# EAGLE board Mk4 Final a Panel score 2x5 (EAGLE 9.0.1), part 19 of 29
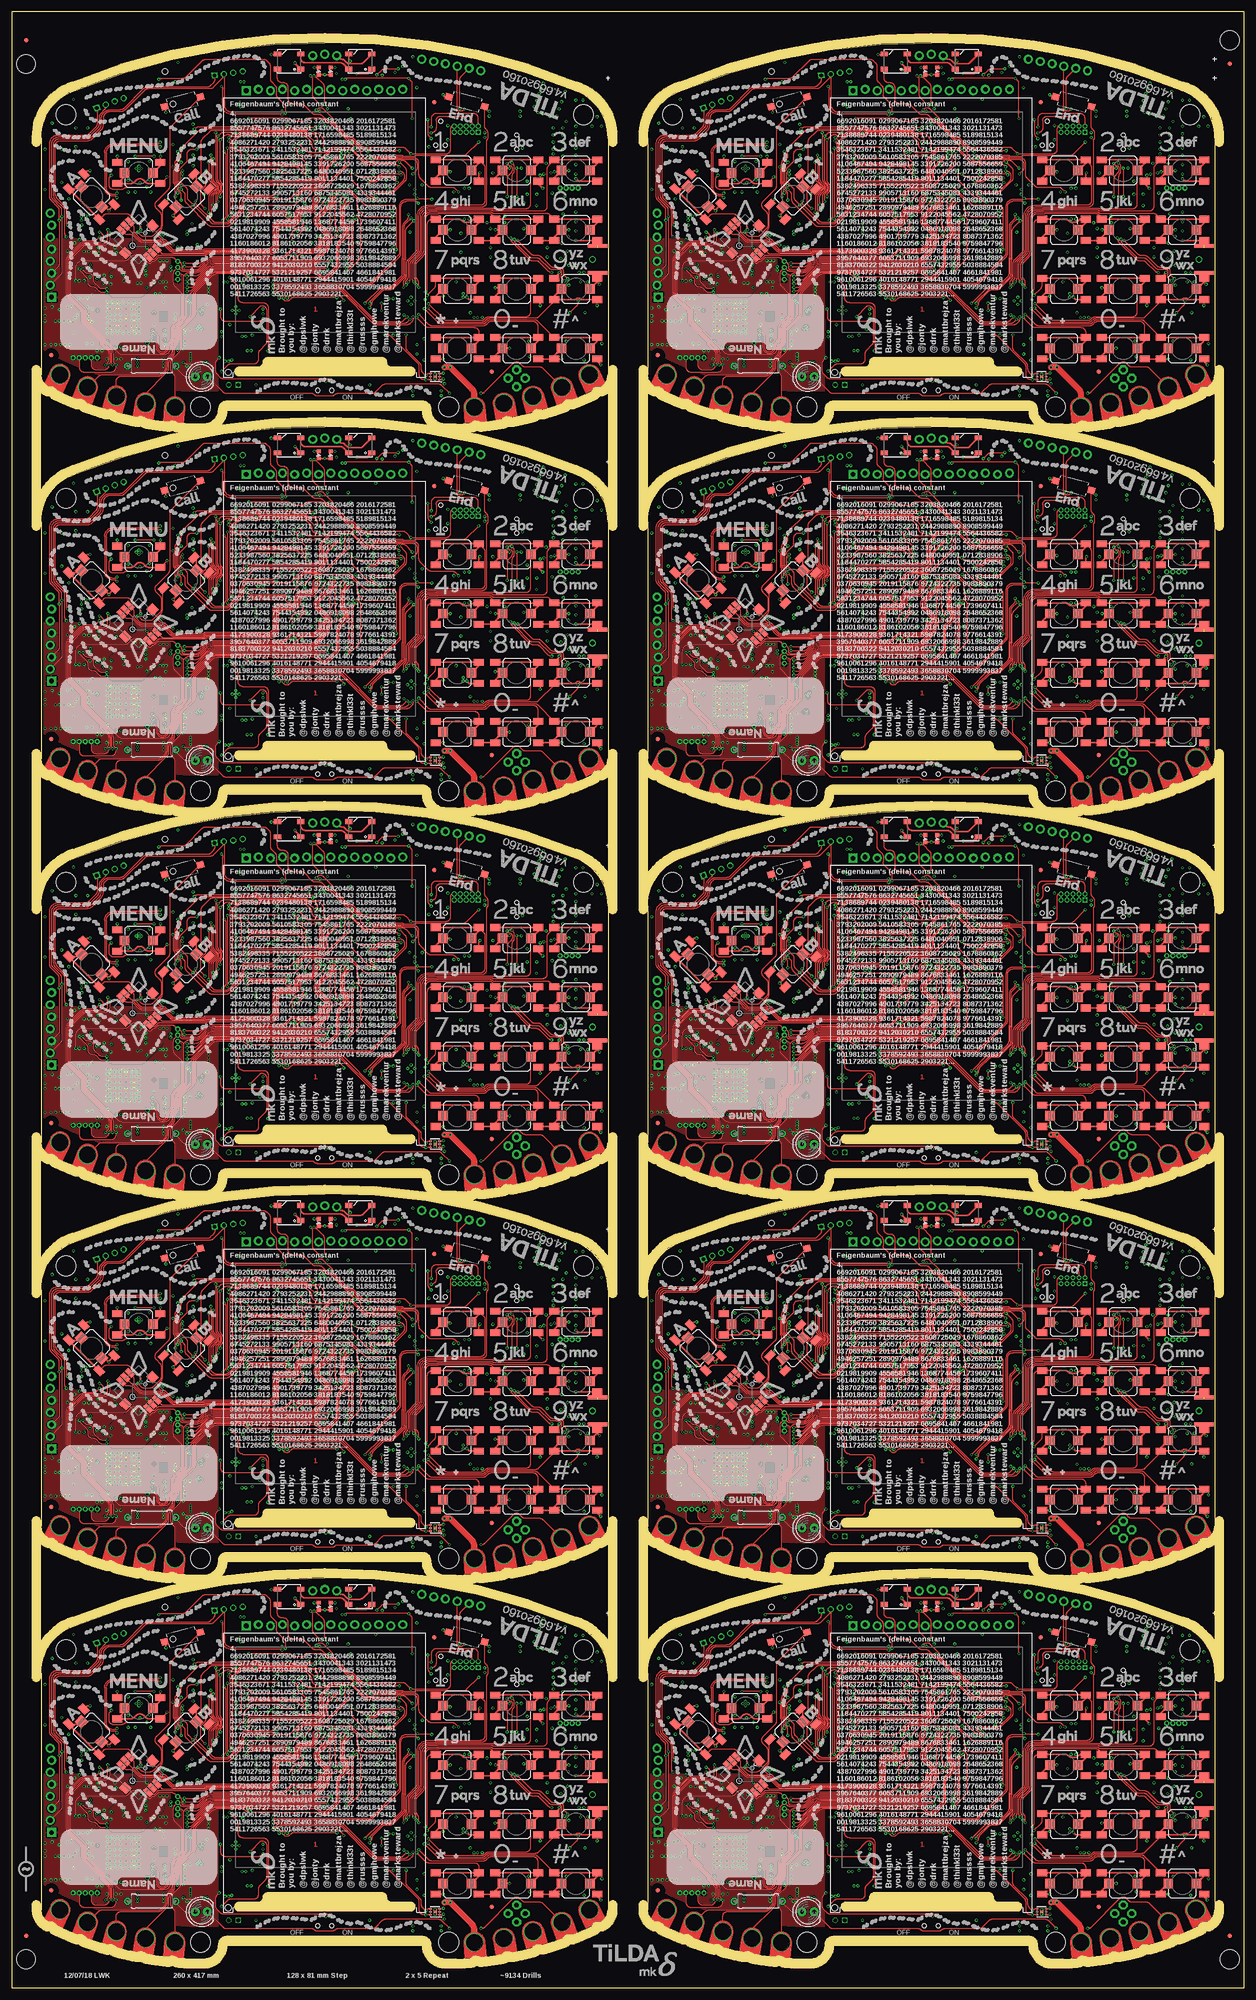
[diagram p0: board, top side]
## Tracks (layer width: path | path; a pad name or v marks a point on that pad's centre or on a via) (continued)
MIC_P4 (continued)
  Bottom 0.2: C483.1 C485.1 | C487.1 C488.1 | C483.1 C487.1 | U14.+ 102.03,238.75 102.6,238.18 103.42,238.18 arc-90 104.17,237.43 104.17,234.35 104.5,234.03 C483.1 | C487.1 104.17,232.68 104.17,232.21 arc45 104.32,231.85 106.03,230.15 arc45 106.38,230 S105.3
MIC_P5
  Bottom 0.2: C591.1 C593.1 | C595.1 C596.1 | C591.1 C595.1 | U17.+ 230.03,238.75 230.6,238.18 231.43,238.18 arc-90 232.18,237.43 232.18,234.35 232.5,234.03 C591.1 | C595.1 232.18,232.68 232.18,232.21 arc45 232.32,231.85 234.03,230.15 arc45 234.38,230 S126.3
MIC_P6
  Bottom 0.2: C699.1 C701.1 | C703.1 C704.1 | C699.1 C703.1 | U20.+ 102.03,319.75 102.6,319.18 103.42,319.18 arc-90 104.17,318.43 104.17,315.35 104.5,315.02 C699.1 | C703.1 104.17,313.68 104.17,313.21 arc45 104.32,312.85 106.03,311.15 arc45 106.38,311 S147.3
MIC_P7
  Bottom 0.2: C807.1 C809.1 | C811.1 C812.1 | C807.1 C811.1 | U23.+ 230.03,319.75 230.6,319.18 231.43,319.18 arc-90 232.18,318.43 232.18,315.35 232.5,315.02 C807.1 | C811.1 232.18,313.68 232.18,313.21 arc45 232.32,312.85 234.03,311.15 arc45 234.38,311 S168.3
MIC_P8
  Bottom 0.2: C915.1 C917.1 | C919.1 C920.1 | C915.1 C919.1 | U26.+ 102.03,400.75 102.6,400.18 103.42,400.18 arc-90 104.17,399.43 104.17,396.35 104.5,396.02 C915.1 | C919.1 104.17,394.68 104.17,394.21 arc45 104.32,393.85 106.03,392.15 arc45 106.38,392 S189.3
MIC_P9
  Bottom 0.2: C1023.1 C1025.1 | C1027.1 C1028.1 | C1023.1 C1027.1 | U29.+ 230.03,400.75 230.6,400.18 231.43,400.18 arc-90 232.18,399.43 232.18,396.35 232.5,396.02 C1023.1 | C1027.1 232.18,394.68 232.18,394.21 arc45 232.32,393.85 234.03,392.15 arc45 234.38,392 S210.3
MIC_PWM_AMP
  Bottom 0.15: C79.1 86.03,63.73 IC11.1 | IC11.2 86.67,61.23 86.9,61
  Bottom 0.2: C81.2 C80.2 86.9,61 | IC11.1 IC11.2
MIC_PWM_AMP1
  Bottom 0.15: C180.1 214.03,63.73 IC26.1 | IC26.2 214.68,61.23 214.9,61
  Bottom 0.2: C182.2 C181.2 214.9,61 | IC26.1 IC26.2
MIC_PWM_AMP2
  Bottom 0.15: C288.1 86.03,144.72 IC44.1 | IC44.2 86.67,142.22 86.9,142
  Bottom 0.2: C290.2 C289.2 86.9,142 | IC44.1 IC44.2
MIC_PWM_AMP3
  Bottom 0.15: C396.1 214.03,144.72 IC62.1 | IC62.2 214.68,142.22 214.9,142
  Bottom 0.2: C398.2 C397.2 214.9,142 | IC62.1 IC62.2
MIC_PWM_AMP4
  Bottom 0.15: C504.1 86.03,225.72 IC80.1 | IC80.2 86.67,223.22 86.9,223
  Bottom 0.2: C506.2 C505.2 86.9,223 | IC80.1 IC80.2
MIC_PWM_AMP5
  Bottom 0.15: C612.1 214.03,225.72 IC98.1 | IC98.2 214.68,223.22 214.9,223
  Bottom 0.2: C614.2 C613.2 214.9,223 | IC98.1 IC98.2
MIC_PWM_AMP6
  Bottom 0.15: C720.1 86.03,306.73 IC116.1 | IC116.2 86.67,304.23 86.9,304
  Bottom 0.2: C722.2 C721.2 86.9,304 | IC116.1 IC116.2
MIC_PWM_AMP7
  Bottom 0.15: C828.1 214.03,306.73 IC134.1 | IC134.2 214.68,304.23 214.9,304
  Bottom 0.2: C830.2 C829.2 214.9,304 | IC134.1 IC134.2
MIC_PWM_AMP8
  Bottom 0.15: C936.1 86.03,387.73 IC152.1 | IC152.2 86.67,385.23 86.9,385
  Bottom 0.2: C938.2 C937.2 86.9,385 | IC152.1 IC152.2
MIC_PWM_AMP9
  Bottom 0.15: C1044.1 214.03,387.73 IC170.1 | IC170.2 214.68,385.23 214.9,385
  Bottom 0.2: C1046.2 C1045.2 214.9,385 | IC170.1 IC170.2
MIC_PWM_AMP_+
  Bottom 0.15: IC11.3 87.33,63.22 arc45 87.18,63.57 C78.2
  Bottom 0.2: C78.2 R52.2
MIC_PWM_AMP_+1
  Bottom 0.15: IC26.3 215.32,63.22 arc45 215.18,63.57 C179.2
  Bottom 0.2: C179.2 R130.2
MIC_PWM_AMP_+2
  Bottom 0.15: IC44.3 87.33,144.22 arc45 87.18,144.57 C287.2
  Bottom 0.2: C287.2 R208.2
MIC_PWM_AMP_+3
  Bottom 0.15: IC62.3 215.32,144.22 arc45 215.18,144.57 C395.2
  Bottom 0.2: C395.2 R286.2
MIC_PWM_AMP_+4
  Bottom 0.15: IC80.3 87.33,225.22 arc45 87.18,225.57 C503.2
  Bottom 0.2: C503.2 R364.2
MIC_PWM_AMP_+5
  Bottom 0.15: IC98.3 215.32,225.22 arc45 215.18,225.57 C611.2
  Bottom 0.2: C611.2 R442.2
MIC_PWM_AMP_+6
  Bottom 0.15: IC116.3 87.33,306.22 arc45 87.18,306.57 C719.2
  Bottom 0.2: C719.2 R520.2
MIC_PWM_AMP_+7
  Bottom 0.15: IC134.3 215.32,306.22 arc45 215.18,306.57 C827.2
  Bottom 0.2: C827.2 R598.2
MIC_PWM_AMP_+8
  Bottom 0.15: IC152.3 87.33,387.22 arc45 87.18,387.57 C935.2
  Bottom 0.2: C935.2 R676.2
MIC_PWM_AMP_+9
  Bottom 0.15: IC170.3 215.32,387.22 arc45 215.18,387.57 C1043.2
  Bottom 0.2: C1043.2 R754.2
MIC_PWM_N
  Bottom 0.2: IC12.8 93.19,62 arc-90 92.19,61 R54.1 C80.1
MIC_PWM_N1
  Bottom 0.2: IC27.8 221.19,62 arc-90 220.19,61 R132.1 C181.1
MIC_PWM_N2
  Bottom 0.2: IC45.8 93.19,143 arc-90 92.19,142 R210.1 C289.1
MIC_PWM_N3
  Bottom 0.2: IC63.8 221.19,143 arc-90 220.19,142 R288.1 C397.1
MIC_PWM_N4
  Bottom 0.2: IC81.8 93.19,224 arc-90 92.19,223 R366.1 C505.1
MIC_PWM_N5
  Bottom 0.2: IC99.8 221.19,224 arc-90 220.19,223 R444.1 C613.1
MIC_PWM_N6
  Bottom 0.2: IC117.8 93.19,305 arc-90 92.19,304 R522.1 C721.1
MIC_PWM_N7
  Bottom 0.2: IC135.8 221.19,305 arc-90 220.19,304 R600.1 C829.1
MIC_PWM_N8
  Bottom 0.2: IC153.8 93.19,386 arc-90 92.19,385 R678.1 C937.1
MIC_PWM_N9
  Bottom 0.2: IC171.8 221.19,386 arc-90 220.19,385 R756.1 C1045.1
MIC_PWM_P
  Bottom 0.2: IC12.4 97,59 arc90 96,60 R54.2 C81.1
MIC_PWM_P1
  Bottom 0.2: IC27.4 225,59 arc90 224,60 R132.2 C182.1
MIC_PWM_P2
  Bottom 0.2: IC45.4 97,140 arc90 96,141 R210.2 C290.1
MIC_PWM_P3
  Bottom 0.2: IC63.4 225,140 arc90 224,141 R288.2 C398.1
MIC_PWM_P4
  Bottom 0.2: IC81.4 97,221 arc90 96,222 R366.2 C506.1
MIC_PWM_P5
  Bottom 0.2: IC99.4 225,221 arc90 224,222 R444.2 C614.1
MIC_PWM_P6
  Bottom 0.2: IC117.4 97,302 arc90 96,303 R522.2 C722.1
MIC_PWM_P7
  Bottom 0.2: IC135.4 225,302 arc90 224,303 R600.2 C830.1
MIC_PWM_P8
  Bottom 0.2: IC153.4 97,383 arc90 96,384 R678.2 C938.1
MIC_PWM_P9
  Bottom 0.2: IC171.4 225,383 arc90 224,384 R756.2 C1046.1
MIC_PWM_R
  Bottom 0.2: R53.1 C79.2 R52.1
MIC_PWM_R1
  Bottom 0.2: R131.1 C180.2 R130.1
MIC_PWM_R2
  Bottom 0.2: R209.1 C288.2 R208.1
MIC_PWM_R3
  Bottom 0.2: R287.1 C396.2 R286.1
MIC_PWM_R4
  Bottom 0.2: R365.1 C504.2 R364.1
MIC_PWM_R5
  Bottom 0.2: R443.1 C612.2 R442.1
MIC_PWM_R6
  Bottom 0.2: R521.1 C720.2 R520.1
MIC_PWM_R7
  Bottom 0.2: R599.1 C828.2 R598.1
MIC_PWM_R8
  Bottom 0.2: R677.1 C936.2 R676.1
MIC_PWM_R9
  Bottom 0.2: R755.1 C1044.2 R754.1
MIC_SWITCHED_N
  Bottom 0.2: IC12.10 95.73,62 arc90 96.73,61 99.67,61 arc-45 99.81,60.94 99.94,60.81 arc45 100.08,60.75 102,60.75 102.08,60.67 102.26,60.67 arc45 102.97,60.97 103.97,61.97 arc-45 104.11,62.02 104.67,62.02 arc45 105.02,62.17 105.18,62.33 arc45 105.33,62.68 105.33,63.97 arc45 105.18,64.32 104,65.5 S22.5
MIC_SWITCHED_N1
  Bottom 0.2: IC27.10 223.73,62 arc90 224.73,61 227.67,61 arc-45 227.81,60.94 227.94,60.81 arc45 228.08,60.75 230,60.75 230.07,60.67 230.26,60.67 arc45 230.97,60.97 231.97,61.97 arc-45 232.11,62.02 232.67,62.02 arc45 233.02,62.17 233.18,62.33 arc45 233.33,62.68 233.33,63.97 arc45 233.18,64.32 232,65.5 S42.5
MIC_SWITCHED_N2
  Bottom 0.2: IC45.10 95.73,143 arc90 96.73,142 99.67,142 arc-45 99.81,141.94 99.94,141.81 arc45 100.08,141.75 102,141.75 102.08,141.68 102.26,141.68 arc45 102.97,141.97 103.97,142.97 arc-45 104.11,143.03 104.67,143.03 arc45 105.02,143.17 105.18,143.33 arc45 105.33,143.68 105.33,144.97 arc45 105.18,145.32 104,146.5 S63.5
MIC_SWITCHED_N3
  Bottom 0.2: IC63.10 223.73,143 arc90 224.73,142 227.67,142 arc-45 227.81,141.94 227.94,141.81 arc45 228.08,141.75 230,141.75 230.07,141.68 230.26,141.68 arc45 230.97,141.97 231.97,142.97 arc-45 232.11,143.03 232.67,143.03 arc45 233.02,143.17 233.18,143.33 arc45 233.33,143.68 233.33,144.97 arc45 233.18,145.32 232,146.5 S84.5
MIC_SWITCHED_N4
  Bottom 0.2: IC81.10 95.73,224 arc90 96.73,223 99.67,223 arc-45 99.81,222.94 99.94,222.81 arc45 100.08,222.75 102,222.75 102.08,222.68 102.26,222.68 arc45 102.97,222.97 103.97,223.97 arc-45 104.11,224.03 104.67,224.03 arc45 105.02,224.17 105.18,224.33 arc45 105.33,224.68 105.33,225.97 arc45 105.18,226.32 104,227.5 S105.5
MIC_SWITCHED_N5
  Bottom 0.2: IC99.10 223.73,224 arc90 224.73,223 227.67,223 arc-45 227.81,222.94 227.94,222.81 arc45 228.08,222.75 230,222.75 230.07,222.68 230.26,222.68 arc45 230.97,222.97 231.97,223.97 arc-45 232.11,224.03 232.67,224.03 arc45 233.02,224.17 233.18,224.33 arc45 233.33,224.68 233.33,225.97 arc45 233.18,226.32 232,227.5 S126.5
MIC_SWITCHED_N6
  Bottom 0.2: IC117.10 95.73,305 arc90 96.73,304 99.67,304 arc-45 99.81,303.94 99.94,303.81 arc45 100.08,303.75 102,303.75 102.08,303.68 102.26,303.68 arc45 102.97,303.97 103.97,304.97 arc-45 104.11,305.02 104.67,305.02 arc45 105.02,305.17 105.18,305.33 arc45 105.33,305.68 105.33,306.97 arc45 105.18,307.32 104,308.5 S147.5
MIC_SWITCHED_N7
  Bottom 0.2: IC135.10 223.73,305 arc90 224.73,304 227.67,304 arc-45 227.81,303.94 227.94,303.81 arc45 228.08,303.75 230,303.75 230.07,303.68 230.26,303.68 arc45 230.97,303.97 231.97,304.97 arc-45 232.11,305.02 232.67,305.02 arc45 233.02,305.17 233.18,305.33 arc45 233.33,305.68 233.33,306.97 arc45 233.18,307.32 232,308.5 S168.5
MIC_SWITCHED_N8
  Bottom 0.2: IC153.10 95.73,386 arc90 96.73,385 99.67,385 arc-45 99.81,384.94 99.94,384.81 arc45 100.08,384.75 102,384.75 102.08,384.68 102.26,384.68 arc45 102.97,384.97 103.97,385.97 arc-45 104.11,386.02 104.67,386.02 arc45 105.02,386.17 105.18,386.33 arc45 105.33,386.68 105.33,387.97 arc45 105.18,388.32 104,389.5 S189.5
MIC_SWITCHED_N9
  Bottom 0.2: IC171.10 223.73,386 arc90 224.73,385 227.67,385 arc-45 227.81,384.94 227.94,384.81 arc45 228.08,384.75 230,384.75 230.07,384.68 230.26,384.68 arc45 230.97,384.97 231.97,385.97 arc-45 232.11,386.02 232.67,386.02 arc45 233.02,386.17 233.18,386.33 arc45 233.33,386.68 233.33,387.97 arc45 233.18,388.32 232,389.5 S210.5
MIC_SWITCHED_P  (via drill 0.3)
  3V3@2 0.2: v35.06,82.32 arc-14 66,85.5 arc-7 85,84.5 arc-12 104.75,80 108,76.75 108,64.5 v107.75,64.25
  Bottom 0.2: IC12.2 99.54,60.05 arc-90 99.74,60.25 102,60.25 102.08,60.33 102.41,60.33 arc45 103.12,60.62 104.11,61.62 arc-45 104.25,61.67 104.81,61.67 arc45 105.17,61.82 105.52,62.17 arc-45 105.66,62.23 107.25,62.23 arc90 107.75,62.73 v107.75,64.25 108.5,65 109,65 109.47,65.47 S22.2 | J9.1 35.77,81.19 arc45 35.48,81.9 v35.06,82.32
MIC_SWITCHED_P1  (via drill 0.3)
  3V3@2 0.2: v163.06,82.32 arc-14 194,85.5 arc-7 213,84.5 arc-12 232.75,80 236,76.75 236,64.5 v235.75,64.25
  Bottom 0.2: IC27.2 227.54,60.05 arc-90 227.74,60.25 230,60.25 230.07,60.33 230.41,60.33 arc45 231.12,60.62 232.11,61.62 arc-45 232.25,61.67 232.81,61.67 arc45 233.17,61.82 233.51,62.17 arc-45 233.66,62.23 235.25,62.23 arc90 235.75,62.73 v235.75,64.25 236.5,65 237,65 237.47,65.47 S42.2 | J17.1 163.78,81.19 arc45 163.48,81.9 v163.06,82.32
MIC_SWITCHED_P2  (via drill 0.3)
  3V3@2 0.2: v35.06,163.32 arc-14 66,166.5 arc-7 85,165.5 arc-12 104.75,161 108,157.75 108,145.5 v107.75,145.25
  Bottom 0.2: IC45.2 99.54,141.05 arc-90 99.74,141.25 102,141.25 102.08,141.32 102.41,141.32 arc45 103.12,141.62 104.11,142.62 arc-45 104.25,142.68 104.81,142.68 arc45 105.17,142.82 105.52,143.17 arc-45 105.66,143.23 107.25,143.23 arc90 107.75,143.73 v107.75,145.25 108.5,146 109,146 109.47,146.47 S63.2 | J27.1 35.77,162.19 arc45 35.48,162.9 v35.06,163.32
MIC_SWITCHED_P3  (via drill 0.3)
  3V3@2 0.2: v163.06,163.32 arc-14 194,166.5 arc-7 213,165.5 arc-12 232.75,161 236,157.75 236,145.5 v235.75,145.25
  Bottom 0.2: IC63.2 227.54,141.05 arc-90 227.74,141.25 230,141.25 230.07,141.32 230.41,141.32 arc45 231.12,141.62 232.11,142.62 arc-45 232.25,142.68 232.81,142.68 arc45 233.17,142.82 233.51,143.17 arc-45 233.66,143.23 235.25,143.23 arc90 235.75,143.73 v235.75,145.25 236.5,146 237,146 237.47,146.47 S84.2 | J37.1 163.78,162.19 arc45 163.48,162.9 v163.06,163.32
MIC_SWITCHED_P4  (via drill 0.3)
  3V3@2 0.2: v35.06,244.32 arc-14 66,247.5 arc-7 85,246.5 arc-12 104.75,242 108,238.75 108,226.5 v107.75,226.25
  Bottom 0.2: IC81.2 99.54,222.05 arc-90 99.74,222.25 102,222.25 102.08,222.32 102.41,222.32 arc45 103.12,222.62 104.11,223.62 arc-45 104.25,223.68 104.81,223.68 arc45 105.17,223.82 105.52,224.17 arc-45 105.66,224.23 107.25,224.23 arc90 107.75,224.73 v107.75,226.25 108.5,227 109,227 109.47,227.47 S105.2 | J47.1 35.77,243.19 arc45 35.48,243.9 v35.06,244.32
MIC_SWITCHED_P5  (via drill 0.3)
  3V3@2 0.2: v163.06,244.32 arc-14 194,247.5 arc-7 213,246.5 arc-12 232.75,242 236,238.75 236,226.5 v235.75,226.25
  Bottom 0.2: IC99.2 227.54,222.05 arc-90 227.74,222.25 230,222.25 230.07,222.32 230.41,222.32 arc45 231.12,222.62 232.11,223.62 arc-45 232.25,223.68 232.81,223.68 arc45 233.17,223.82 233.51,224.17 arc-45 233.66,224.23 235.25,224.23 arc90 235.75,224.73 v235.75,226.25 236.5,227 237,227 237.47,227.47 S126.2 | J57.1 163.78,243.19 arc45 163.48,243.9 v163.06,244.32
MIC_SWITCHED_P6  (via drill 0.3)
  3V3@2 0.2: v35.06,325.32 arc-14 66,328.5 arc-7 85,327.5 arc-12 104.75,323 108,319.75 108,307.5 v107.75,307.25
  Bottom 0.2: IC117.2 99.54,303.05 arc-90 99.74,303.25 102,303.25 102.08,303.32 102.41,303.32 arc45 103.12,303.62 104.11,304.62 arc-45 104.25,304.68 104.81,304.68 arc45 105.17,304.82 105.52,305.17 arc-45 105.66,305.23 107.25,305.23 arc90 107.75,305.73 v107.75,307.25 108.5,308 109,308 109.47,308.48 S147.2 | J67.1 35.77,324.19 arc45 35.48,324.9 v35.06,325.32
MIC_SWITCHED_P7  (via drill 0.3)
  3V3@2 0.2: v163.06,325.32 arc-14 194,328.5 arc-7 213,327.5 arc-12 232.75,323 236,319.75 236,307.5 v235.75,307.25
  Bottom 0.2: IC135.2 227.54,303.05 arc-90 227.74,303.25 230,303.25 230.07,303.32 230.41,303.32 arc45 231.12,303.62 232.11,304.62 arc-45 232.25,304.68 232.81,304.68 arc45 233.17,304.82 233.51,305.17 arc-45 233.66,305.23 235.25,305.23 arc90 235.75,305.73 v235.75,307.25 236.5,308 237,308 237.47,308.48 S168.2 | J77.1 163.78,324.19 arc45 163.48,324.9 v163.06,325.32
MIC_SWITCHED_P8  (via drill 0.3)
  3V3@2 0.2: v35.06,406.32 arc-14 66,409.5 arc-7 85,408.5 arc-12 104.75,404 108,400.75 108,388.5 v107.75,388.25
  Bottom 0.2: IC153.2 99.54,384.05 arc-90 99.74,384.25 102,384.25 102.08,384.32 102.41,384.32 arc45 103.12,384.62 104.11,385.62 arc-45 104.25,385.68 104.81,385.68 arc45 105.17,385.82 105.52,386.17 arc-45 105.66,386.23 107.25,386.23 arc90 107.75,386.73 v107.75,388.25 108.5,389 109,389 109.47,389.48 S189.2 | J87.1 35.77,405.19 arc45 35.48,405.9 v35.06,406.32
MIC_SWITCHED_P9  (via drill 0.3)
  3V3@2 0.2: v163.06,406.32 arc-14 194,409.5 arc-7 213,408.5 arc-12 232.75,404 236,400.75 236,388.5 v235.75,388.25
  Bottom 0.2: IC171.2 227.54,384.05 arc-90 227.74,384.25 230,384.25 230.07,384.32 230.41,384.32 arc45 231.12,384.62 232.11,385.62 arc-45 232.25,385.68 232.81,385.68 arc45 233.17,385.82 233.51,386.17 arc-45 233.66,386.23 235.25,386.23 arc90 235.75,386.73 v235.75,388.25 236.5,389 237,389 237.47,389.48 S210.2 | J97.1 163.78,405.19 arc45 163.48,405.9 v163.06,406.32
MUX_A  (via drill 0.3)
  Top 0.15: v75.15,62.2 75.4,62.45 arc-45 75.76,62.6 75.91,62.6 arc-45 76.15,62.5 80.9,62.5 arc45 81.04,62.56 81.15,62.67 arc-45 81.29,62.73 82.31,62.73 arc-45 82.45,62.67 82.56,62.56 arc45 82.7,62.5 84.89,62.5 arc45 85.08,62.58 arc-45 85.43,62.73 95.31,62.73 arc45 96.02,63.02 v98.5,65.5
  Bottom 0.15: IC1.105 74.95,62 v75.15,62.2
  Bottom 0.2: IC12.12 98.27,65.27 v98.5,65.5 R56.1 99.54,65.29 IC12.13
MUX_A1  (via drill 0.3)
  Top 0.15: v203.15,62.2 203.4,62.45 arc-45 203.76,62.6 203.91,62.6 arc-45 204.15,62.5 208.9,62.5 arc45 209.04,62.56 209.15,62.67 arc-45 209.29,62.73 210.31,62.73 arc-45 210.45,62.67 210.56,62.56 arc45 210.7,62.5 212.89,62.5 arc45 213.08,62.58 arc-45 213.43,62.73 223.31,62.73 arc45 224.02,63.02 v226.5,65.5
  Bottom 0.15: IC20.105 202.95,62 v203.15,62.2
  Bottom 0.2: IC27.12 226.27,65.27 v226.5,65.5 R134.1 227.54,65.29 IC27.13
MUX_A2  (via drill 0.3)
  Top 0.15: v75.15,143.2 75.4,143.45 arc-45 75.76,143.6 75.91,143.6 arc-45 76.15,143.5 80.9,143.5 arc45 81.04,143.56 81.15,143.67 arc-45 81.29,143.72 82.31,143.72 arc-45 82.45,143.67 82.56,143.56 arc45 82.7,143.5 84.89,143.5 arc45 85.08,143.58 arc-45 85.43,143.72 95.31,143.72 arc45 96.02,144.02 v98.5,146.5
  Bottom 0.15: IC38.105 74.95,143 v75.15,143.2
  Bottom 0.2: IC45.12 98.27,146.27 v98.5,146.5 R212.1 99.54,146.29 IC45.13
MUX_A3  (via drill 0.3)
  Top 0.15: v203.15,143.2 203.4,143.45 arc-45 203.76,143.6 203.91,143.6 arc-45 204.15,143.5 208.9,143.5 arc45 209.04,143.56 209.15,143.67 arc-45 209.29,143.72 210.31,143.72 arc-45 210.45,143.67 210.56,143.56 arc45 210.7,143.5 212.89,143.5 arc45 213.08,143.58 arc-45 213.43,143.72 223.31,143.72 arc45 224.02,144.02 v226.5,146.5
  Bottom 0.15: IC56.105 202.95,143 v203.15,143.2
  Bottom 0.2: IC63.12 226.27,146.27 v226.5,146.5 R290.1 227.54,146.29 IC63.13
MUX_A4  (via drill 0.3)
  Top 0.15: v75.15,224.2 75.4,224.45 arc-45 75.76,224.6 75.91,224.6 arc-45 76.15,224.5 80.9,224.5 arc45 81.04,224.56 81.15,224.67 arc-45 81.29,224.72 82.31,224.72 arc-45 82.45,224.67 82.56,224.56 arc45 82.7,224.5 84.89,224.5 arc45 85.08,224.58 arc-45 85.43,224.72 95.31,224.72 arc45 96.02,225.02 v98.5,227.5
  Bottom 0.15: IC74.105 74.95,224 v75.15,224.2
  Bottom 0.2: IC81.12 98.27,227.27 v98.5,227.5 R368.1 99.54,227.29 IC81.13
MUX_A5  (via drill 0.3)
  Top 0.15: v203.15,224.2 203.4,224.45 arc-45 203.76,224.6 203.91,224.6 arc-45 204.15,224.5 208.9,224.5 arc45 209.04,224.56 209.15,224.67 arc-45 209.29,224.72 210.31,224.72 arc-45 210.45,224.67 210.56,224.56 arc45 210.7,224.5 212.89,224.5 arc45 213.08,224.58 arc-45 213.43,224.72 223.31,224.72 arc45 224.02,225.02 v226.5,227.5
  Bottom 0.15: IC92.105 202.95,224 v203.15,224.2
  Bottom 0.2: IC99.12 226.27,227.27 v226.5,227.5 R446.1 227.54,227.29 IC99.13
MUX_A6  (via drill 0.3)
  Top 0.15: v75.15,305.2 75.4,305.45 arc-45 75.76,305.6 75.91,305.6 arc-45 76.15,305.5 80.9,305.5 arc45 81.04,305.56 81.15,305.67 arc-45 81.29,305.73 82.31,305.73 arc-45 82.45,305.67 82.56,305.56 arc45 82.7,305.5 84.89,305.5 arc45 85.08,305.58 arc-45 85.43,305.73 95.31,305.73 arc45 96.02,306.02 v98.5,308.5
  Bottom 0.15: IC110.105 74.95,305 v75.15,305.2
  Bottom 0.2: IC117.12 98.27,308.27 v98.5,308.5 R524.1 99.54,308.29 IC117.13
MUX_A7  (via drill 0.3)
  Top 0.15: v203.15,305.2 203.4,305.45 arc-45 203.76,305.6 203.91,305.6 arc-45 204.15,305.5 208.9,305.5 arc45 209.04,305.56 209.15,305.67 arc-45 209.29,305.73 210.31,305.73 arc-45 210.45,305.67 210.56,305.56 arc45 210.7,305.5 212.89,305.5 arc45 213.08,305.58 arc-45 213.43,305.73 223.31,305.73 arc45 224.02,306.02 v226.5,308.5
  Bottom 0.15: IC128.105 202.95,305 v203.15,305.2
  Bottom 0.2: IC135.12 226.27,308.27 v226.5,308.5 R602.1 227.54,308.29 IC135.13
MUX_A8  (via drill 0.3)
  Top 0.15: v75.15,386.2 75.4,386.45 arc-45 75.76,386.6 75.91,386.6 arc-45 76.15,386.5 80.9,386.5 arc45 81.04,386.56 81.15,386.67 arc-45 81.29,386.73 82.31,386.73 arc-45 82.45,386.67 82.56,386.56 arc45 82.7,386.5 84.89,386.5 arc45 85.08,386.58 arc-45 85.43,386.73 95.31,386.73 arc45 96.02,387.02 v98.5,389.5
  Bottom 0.15: IC146.105 74.95,386 v75.15,386.2
  Bottom 0.2: IC153.12 98.27,389.27 v98.5,389.5 R680.1 99.54,389.29 IC153.13
MUX_A9  (via drill 0.3)
  Top 0.15: v203.15,386.2 203.4,386.45 arc-45 203.76,386.6 203.91,386.6 arc-45 204.15,386.5 208.9,386.5 arc45 209.04,386.56 209.15,386.67 arc-45 209.29,386.73 210.31,386.73 arc-45 210.45,386.67 210.56,386.56 arc45 210.7,386.5 212.89,386.5 arc45 213.08,386.58 arc-45 213.43,386.73 223.31,386.73 arc45 224.02,387.02 v226.5,389.5
  Bottom 0.15: IC164.105 202.95,386 v203.15,386.2
  Bottom 0.2: IC171.12 226.27,389.27 v226.5,389.5 R758.1 227.54,389.29 IC171.13
MUX_B  (via drill 0.3)
  Top 0.15: v94.25,55 93.54,55.71 arc45 92.84,56 88.51,56 arc-45 87.81,56.29 86.09,58.01 arc-45 85.8,58.71 85.8,61.2 arc90 84.8,62.2 82.57,62.2 arc-45 82.43,62.26 82.33,62.37 arc45 82.18,62.42 81.42,62.42 arc45 81.28,62.37 81.17,62.26 arc-45 81.03,62.2 76.31,62.2 arc45 75.95,62.05 v75.9,62
  Bottom 0.15: R55.2 v94.25,55 | IC1.106 75.5,61.6 v75.9,62
  Bottom 0.2: IC12.6 94.46,55.96 R55.2 94.31,55.75 arc45 95.02,56.04 95.27,56.3 95.3,56.3 95.73,56.73 IC12.5
MUX_B1  (via drill 0.3)
  Top 0.15: v222.25,55 221.54,55.71 arc45 220.84,56 216.51,56 arc-45 215.81,56.29 214.09,58.01 arc-45 213.8,58.71 213.8,61.2 arc90 212.8,62.2 210.57,62.2 arc-45 210.43,62.26 210.32,62.37 arc45 210.18,62.42 209.42,62.42 arc45 209.28,62.37 209.17,62.26 arc-45 209.03,62.2 204.31,62.2 arc45 203.95,62.05 v203.9,62
  Bottom 0.15: R133.2 v222.25,55 | IC20.106 203.5,61.6 v203.9,62
  Bottom 0.2: IC27.6 222.46,55.96 R133.2 222.31,55.75 arc45 223.01,56.04 223.27,56.3 223.3,56.3 223.73,56.73 IC27.5
MUX_B2  (via drill 0.3)
  Top 0.15: v94.25,136 93.54,136.71 arc45 92.84,137 88.51,137 arc-45 87.81,137.29 86.09,139.01 arc-45 85.8,139.71 85.8,142.2 arc90 84.8,143.2 82.57,143.2 arc-45 82.43,143.26 82.33,143.37 arc45 82.18,143.43 81.42,143.43 arc45 81.28,143.37 81.17,143.26 arc-45 81.03,143.2 76.31,143.2 arc45 75.95,143.05 v75.9,143
  Bottom 0.15: R211.2 v94.25,136 | IC38.106 75.5,142.6 v75.9,143
  Bottom 0.2: IC45.6 94.46,136.96 R211.2 94.31,136.75 arc45 95.02,137.04 95.27,137.3 95.3,137.3 95.73,137.73 IC45.5
MUX_B3  (via drill 0.3)
  Top 0.15: v222.25,136 221.54,136.71 arc45 220.84,137 216.51,137 arc-45 215.81,137.29 214.09,139.01 arc-45 213.8,139.71 213.8,142.2 arc90 212.8,143.2 210.57,143.2 arc-45 210.43,143.26 210.32,143.37 arc45 210.18,143.43 209.42,143.43 arc45 209.28,143.37 209.17,143.26 arc-45 209.03,143.2 204.31,143.2 arc45 203.95,143.05 v203.9,143
  Bottom 0.15: R289.2 v222.25,136 | IC56.106 203.5,142.6 v203.9,143
  Bottom 0.2: IC63.6 222.46,136.96 R289.2 222.31,136.75 arc45 223.01,137.04 223.27,137.3 223.3,137.3 223.73,137.73 IC63.5
MUX_B4  (via drill 0.3)
  Top 0.15: v94.25,217 93.54,217.71 arc45 92.84,218 88.51,218 arc-45 87.81,218.29 86.09,220.01 arc-45 85.8,220.71 85.8,223.2 arc90 84.8,224.2 82.57,224.2 arc-45 82.43,224.26 82.33,224.37 arc45 82.18,224.43 81.42,224.43 arc45 81.28,224.37 81.17,224.26 arc-45 81.03,224.2 76.31,224.2 arc45 75.95,224.05 v75.9,224
  Bottom 0.15: R367.2 v94.25,217 | IC74.106 75.5,223.6 v75.9,224
  Bottom 0.2: IC81.6 94.46,217.96 R367.2 94.31,217.75 arc45 95.02,218.04 95.27,218.3 95.3,218.3 95.73,218.73 IC81.5
MUX_B5  (via drill 0.3)
  Top 0.15: v222.25,217 221.54,217.71 arc45 220.84,218 216.51,218 arc-45 215.81,218.29 214.09,220.01 arc-45 213.8,220.71 213.8,223.2 arc90 212.8,224.2 210.57,224.2 arc-45 210.43,224.26 210.32,224.37 arc45 210.18,224.43 209.42,224.43 arc45 209.28,224.37 209.17,224.26 arc-45 209.03,224.2 204.31,224.2 arc45 203.95,224.05 v203.9,224
  Bottom 0.15: R445.2 v222.25,217 | IC92.106 203.5,223.6 v203.9,224
  Bottom 0.2: IC99.6 222.46,217.96 R445.2 222.31,217.75 arc45 223.01,218.04 223.27,218.3 223.3,218.3 223.73,218.73 IC99.5
MUX_B6  (via drill 0.3)
  Top 0.15: v94.25,298 93.54,298.71 arc45 92.84,299 88.51,299 arc-45 87.81,299.29 86.09,301.01 arc-45 85.8,301.71 85.8,304.2 arc90 84.8,305.2 82.57,305.2 arc-45 82.43,305.26 82.33,305.37 arc45 82.18,305.43 81.42,305.43 arc45 81.28,305.37 81.17,305.26 arc-45 81.03,305.2 76.31,305.2 arc45 75.95,305.05 v75.9,305
  Bottom 0.15: R523.2 v94.25,298 | IC110.106 75.5,304.6 v75.9,305
  Bottom 0.2: IC117.6 94.46,298.96 R523.2 94.31,298.75 arc45 95.02,299.04 95.27,299.3 95.3,299.3 95.73,299.73 IC117.5
MUX_B7  (via drill 0.3)
  Top 0.15: v222.25,298 221.54,298.71 arc45 220.84,299 216.51,299 arc-45 215.81,299.29 214.09,301.01 arc-45 213.8,301.71 213.8,304.2 arc90 212.8,305.2 210.57,305.2 arc-45 210.43,305.26 210.32,305.37 arc45 210.18,305.43 209.42,305.43 arc45 209.28,305.37 209.17,305.26 arc-45 209.03,305.2 204.31,305.2 arc45 203.95,305.05 v203.9,305
  Bottom 0.15: R601.2 v222.25,298 | IC128.106 203.5,304.6 v203.9,305
  Bottom 0.2: IC135.6 222.46,298.96 R601.2 222.31,298.75 arc45 223.01,299.04 223.27,299.3 223.3,299.3 223.73,299.73 IC135.5
MUX_B8  (via drill 0.3)
  Top 0.15: v94.25,379 93.54,379.71 arc45 92.84,380 88.51,380 arc-45 87.81,380.29 86.09,382.01 arc-45 85.8,382.71 85.8,385.2 arc90 84.8,386.2 82.57,386.2 arc-45 82.43,386.26 82.33,386.37 arc45 82.18,386.43 81.42,386.43 arc45 81.28,386.37 81.17,386.26 arc-45 81.03,386.2 76.31,386.2 arc45 75.95,386.05 v75.9,386
  Bottom 0.15: R679.2 v94.25,379 | IC146.106 75.5,385.6 v75.9,386
  Bottom 0.2: IC153.6 94.46,379.96 R679.2 94.31,379.75 arc45 95.02,380.04 95.27,380.3 95.3,380.3 95.73,380.73 IC153.5
MUX_B9  (via drill 0.3)
  Top 0.15: v222.25,379 221.54,379.71 arc45 220.84,380 216.51,380 arc-45 215.81,380.29 214.09,382.01 arc-45 213.8,382.71 213.8,385.2 arc90 212.8,386.2 210.57,386.2 arc-45 210.43,386.26 210.32,386.37 arc45 210.18,386.43 209.42,386.43 arc45 209.28,386.37 209.17,386.26 arc-45 209.03,386.2 204.31,386.2 arc45 203.95,386.05 v203.9,386
  Bottom 0.15: R757.2 v222.25,379 | IC164.106 203.5,385.6 v203.9,386
  Bottom 0.2: IC171.6 222.46,379.96 R757.2 222.31,379.75 arc45 223.01,380.04 223.27,380.3 223.3,380.3 223.73,380.73 IC171.5
N$1
  cutout GND@3 (no thermals): 27.9,34.9 27.9,34.85 27.9,34.9 28.24,35.24 arc-90 28.66,35.24 28.84,35.06 arc-90 28.84,34.64 26.15,31.95 26.15,31.8 arc-90 25.85,31.5 25.75,31.5 arc-90 25.45,31.8 25.45,32.4 27.9,34.85
N$2
  cutout GND@3 (no thermals): 23.1,36.5 23.1,32.8 23.85,32.05 23.85,31.75 arc-90 23.55,31.45 23.45,31.45 arc-90 23.15,31.75 22.4,32.5 22.4,37 23.29,37.89 arc-90 23.71,37.89 23.89,37.71 arc-90 23.89,37.29
N$3
  cutout GND@3 (no thermals): 22.1,36.6 22.1,32.6 22.65,32.05 22.65,31.75 arc-90 22.35,31.45 22.25,31.45 arc-90 21.95,31.75 21.4,32.3 21.4,36.1 20.61,36.89 arc-90 20.61,37.31 20.79,37.49 arc-90 21.21,37.49